# Altium PCB PCB2.PcbDoc (continued)
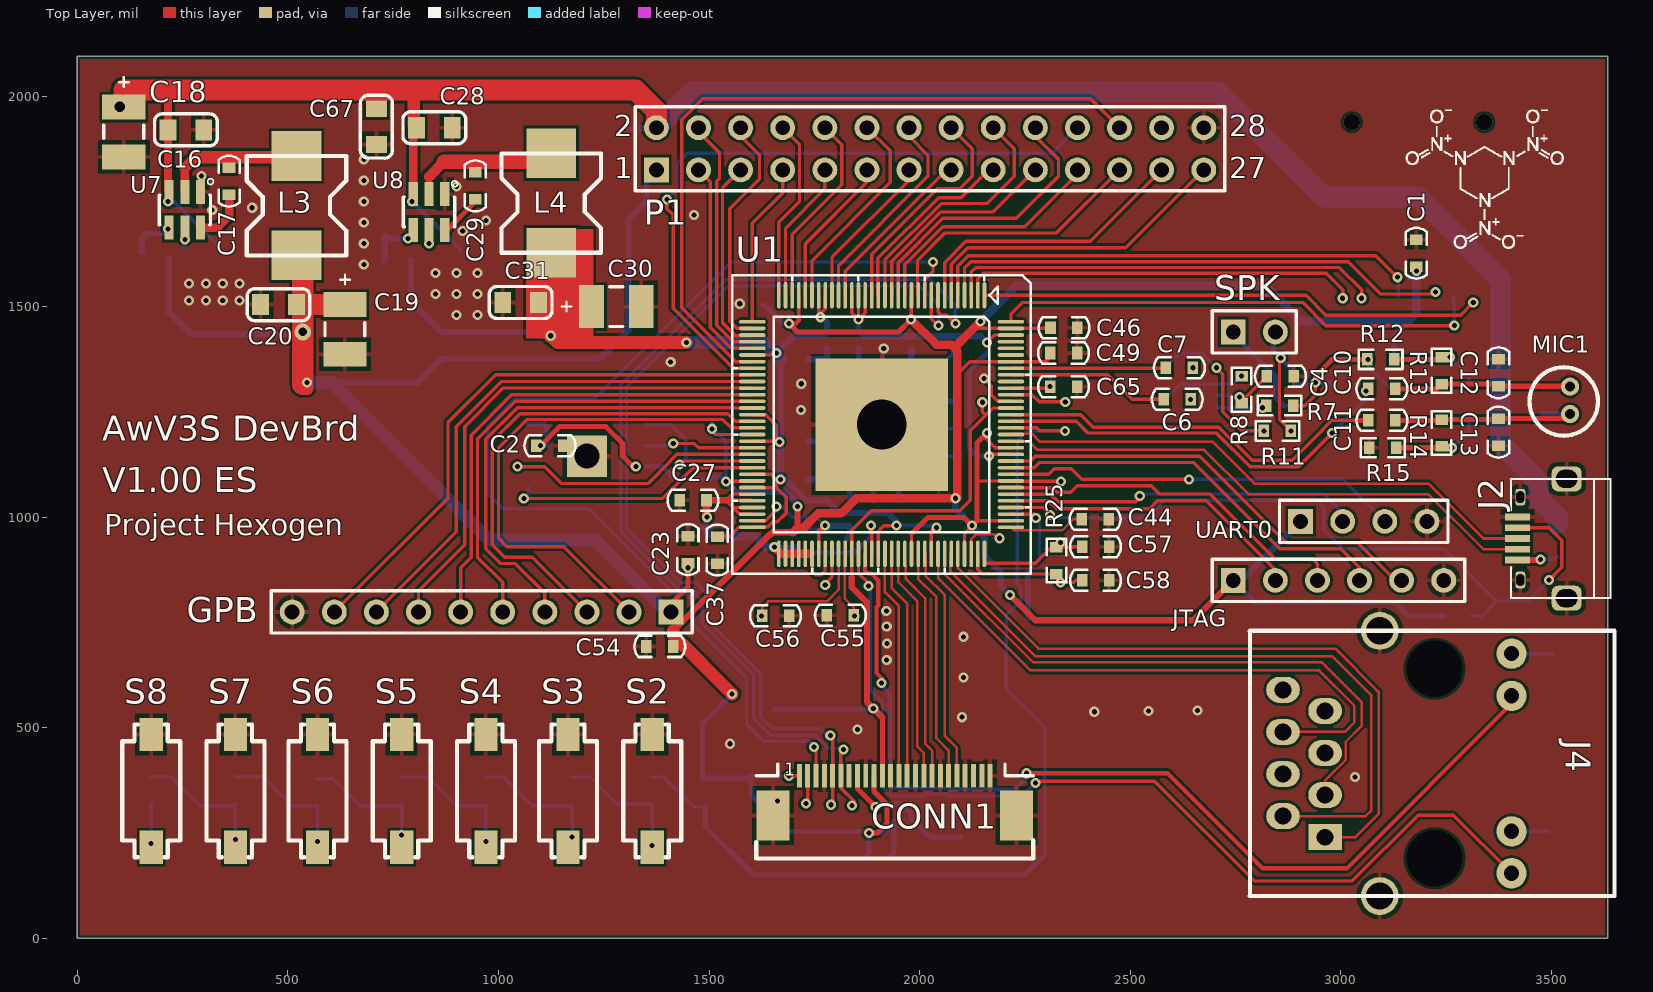
[diagram p0: Top Layer view]
## Part data
C1 C4 C5 C6 C7 C8 C9 C10 C11 C12 C13 C14 C15 C25 C26 C32 C33 C34 C35 C36 C37 C38 C39 C40 C41 C42 C43 C44 C45 C46 C47 C48 C49 C50 C51 C52 C53 C54 C55 C56 C57 C58 C60 C62 C64: "Capacitor", LatestRevisionDate=17-Jul-2002, LatestRevisionNote="Re-released for DXP Platform.", PackageDescription="Radial Cap, Thru-Hole; 2 Leads; 0.3 in Pin Spacing", PackageReference=RAD-0.3, Published=8-Jun-2000, Publisher="Altium Limited"
C2 C3 C61 C63 C65 C66: library part Cap, "0603 Ceramic Capacitor", LatestRevisionDate=17-Jul-2002, LatestRevisionNote="Re-released for DXP Platform.", PackageDescription="Radial Cap, Thru-Hole; 2 Leads; 0.3 in Pin Spacing", PackageReference=RAD-0.3, Published=8-Jun-2000, Publisher="Altium Limited"
C16 C17 C20 C28 C29 C31 C67: "Ceramic Capacitor 0603", LatestRevisionDate=17-Jul-2002, LatestRevisionNote="Re-released for DXP Platform.", PackageDescription="Radial Cap, Thru-Hole; 2 Leads; 0.3 in Pin Spacing", PackageReference=RAD-0.3, Published=8-Jun-2000, Publisher="Altium Limited"
C18 C19 C30: "Polarized Capacitor (Radial)", LatestRevisionDate=17-Jul-2002, LatestRevisionNote="Re-released for DXP Platform.", PackageDescription="Polarized Capacitor (Radial); 2 Leads", PackageReference=RB7.6-15, Published=8-Jun-2000, Publisher="Altium Limited"
C21 C22 C23 C24 C27 C59: "Ceramic 0603 Capacitor", LatestRevisionDate=17-Jul-2002, LatestRevisionNote="Re-released for DXP Platform.", PackageDescription="Radial Cap, Thru-Hole; 2 Leads; 0.3 in Pin Spacing", PackageReference=RAD-0.3, Published=8-Jun-2000, Publisher="Altium Limited"
CONN1: library part TD030673_2, "FPC Connector 0.4mm Pitch", Page=10
F1: library part "Fuse 1", "6V 1A PTC Fuse", LatestRevisionDate=17-Jul-2002, LatestRevisionNote="Re-released for DXP Platform.", PackageDescription="Thru-Hole; 2 Leads", PackageReference=PIN-W2/E2.8, Published=8-Jun-2000, Publisher="Altium Limited"
GPB: library part "Header 10", "Header, 10-Pin", LatestRevisionDate=17-Jul-2002, LatestRevisionNote="Re-released for DXP Platform.", Publisher="Altium Limited"
J2: "OTG USB By V3S"
J4: "HanRun 911105A  ETH Jack"
JTAG: library part "Header 6", "Header, 6-Pin", LatestRevisionDate=17-Jul-2002, LatestRevisionNote="Re-released for DXP Platform.", Publisher="Altium Limited"
L1: library part INDUCTOR_0_Dup1, "RoHS BEAD/600ohm 100Mhz Z=600Ω DCR<0.2Ω 800mA SMT L0603", Package=SMT, OriginalSymbolOrigin=(10,0), Pin Names Rotate=TRUE, Pin Names Visible=FALSE, Pin Numbers Visible=TRUE
L3 L4: "Inductor 0606", Code_IEC=1005, Code_JEITA=0402, LatestRevisionDate=29-May-2009, LatestRevisionNote="IPC-7351 Footprint Added.", PackageDescription="Chip Inductor", PackageReference=0402-A, Published=8-Jun-2000, Publisher="Altium Limited"
MIC1: library part Micphone_0, mypage=13
P1: "Header, 14-Pin, Dual row", LatestRevisionDate=17-Jul-2002, LatestRevisionNote="Re-released for DXP Platform.", Publisher="Altium Limited"
R1 R5 R6 R16 R17 R18 R21 R22 R23 R24 R25 R26 R27 R28 R29 R30 R31 R40: "Resistor", LatestRevisionDate=29-May-2009, LatestRevisionNote="IPC-7351 Footprint Added.", PackageDescription="Chip Resistor", PackageReference=J1-0603, Published=8-Jun-2000, Publisher="Altium Limited"
R7 R8 R9 R10 R11: library part ?_0, Vendor=R0402, 备注=Y
R12 R13 R14 R15: library part R_Dup4, mypage=13
R19 R20: "0603 Resistor", LatestRevisionDate=29-May-2009, LatestRevisionNote="IPC-7351 Footprint Added.", PackageDescription="Chip Resistor", PackageReference=J1-0603, Published=8-Jun-2000, Publisher="Altium Limited"
R32 R33 R34 R35 R36: library part "R1 0805_Dup2", Page=11
R37 R38 R39: library part "R1 0805"
S2 S3 S4 S5 S6 S7 S8: "Switch", LatestRevisionDate=17-Jul-2002, LatestRevisionNote="Re-released for DXP Platform.", PackageDescription="Switch; 2 Leads", PackageReference=SPST-2, Published=24-Mar-1999, Publisher="Altium Limited"
SPK: library part SPEAKER
U1: library part Aw_V3S
U2: library part W25Qxx, "128MB NAND Flash WSON8"
U6: library part LY8006_0, Vendor=MSOP8, 备注=Y
U9 U10 U11: library part PT5110
UART0: "Header, 4-Pin", LatestRevisionDate=17-Jul-2002, LatestRevisionNote="Re-released for DXP Platform.", Publisher="Altium Limited"
Y1 Y2: library part XTAL, "Crystal Oscillator", LatestRevisionDate=17-Jul-2002, LatestRevisionNote="Re-released for DXP Platform.", PackageDescription="Crystal, Thru-Hole; 2 Leads; Body 3.1 x 8.2 mm (Dia.xH)", PackageReference=R38, Published=8-Jun-2000, Publisher="Altium Limited"

## Via types
v1: diameter 24, hole 12, Top Layer to Bottom Layer, 154 vias
v2: diameter 39.37, hole 39.37, Top Layer to Bottom Layer, 2 vias
v3: diameter 40, hole 20, Top Layer to Bottom Layer, 1 vias
v4: diameter 50, hole 25, Top Layer to Bottom Layer, 1 vias

## Nets (pads, with @x,y where several pads share a name; then routed paths per layer and width w, separated by ;. In a path a pad name is that pad's centre, name@x,y a point inside that pad or via, vN(x,y) a via of type N, cw(c..) or ccw(c..) an arc to the next point about the centre after c; other vN are vias at no path point)
1V8: C24.2 C27.2 C59.2 R20.1 U1.59 U1.60 U1.61 U1.62 U1.65 U1.66 U1.67 U1.68 U1.69 U1.70 U1.72 U1.79 U9.2 | length 1125.5
  Top Layer w8: v1@1494,1001 v1(1495,1000) ; U1.62 1572.6,1007.4 1556.85,1023.15 ; U1.61 1556.85,1023.15 ; U1.60 1601.81,1040 1540,1040 ; U1.59 1602.56,1055 1555,1055 1540,1040 ; U1.70 1745.52,912.04 1745.52,869.48 1752,863 1765.89,863 1770.89,868 1773,868 1775.27,870.27 1775.27,912.04 U1.72 ; v1(1885,980) 1885,982.24 1886.38,983.62 1886.38,965 U1.79 ; 1540,1040 1556.85,1023.15
  Top Layer w15: C27.2 1540,1040
  Top Layer w20: v1@1494,1001 C27.2 ; v1(1655,929) 1671.09,912.91 U1.66 U1.67 U1.68 U1.69 1740.06,912.91
  Bottom Layer w8: U9.2 1490,995 v1(1495,1000)
  Bottom Layer w12: v1(1655,929) 1702,929 1703,930 R20.1 1732,915 1845,915 1885,955 v1(1885,980)
  Bottom Layer w20: U9.2 1510,955 1610,955 1636,929 v1(1655,929)
1V25: C30.1 C31.2 C34.2 C35.2 C36.2 C37.2 C38.2 C39.2 C40.2 C41.2 C42.2 C43.2 L4.2 R22.2 U1.19 U1.20 U1.21 U1.25 U1.26 U1.38 U1.47 U1.51 U1.56 U1.58 U1.64 U1.80 U1.88 U1.108 U1.126 | length 4103.5
  Top Layer w8: 1549,954 1570.91,975.91 U1.64 1604.33,977.32 1640.07,977.32 1651.74,989 1662,989 1683,1010 1683,1047 1659.61,1070.39 ; U1.58 1659.61,1070.39 ; U1.56 1648.11,1101.89 1659.61,1090.39 1659.61,1070.39 ; U1.51 1659.37,1180.63 1659.37,1218.85 1634.6,1243.62 U1.47 ; U1.38 1655.35,1385.35 v1(1660,1390) ; U1.26 1760.39,1479.61 1776.14,1495.35 U1.25 ; U1.21 1839.13,1485.87 v1@1854.88,1470.12 ; U1.20 v1@1854.88,1470.12 ; U1.19 1870.63,1485.87 v1@1854.88,1470.12 ; U1.80 1902.13,966.01 1907,970.89 1907,972 1915,980 v1(1945,980) ; U1.88 2028.11,966.89 2036.22,975 v1(2040,975) ; v1(2160,1415) 2177.6,1432.6 U1.126 ; v1(2165,1145) 2169.13,1149.13 U1.108
  Top Layer w10: C37.2 1549,954
  Top Layer w30: v1(1124,1431) 1140,1415 v1(1446,1415)
  Top Layer w35: v1(1124,1431) 1124,1516 1120,1520 1125,1525 ; L4.2 1125,1525 ; C30.1@1221.89,1500 1196.89,1525 1125,1525
  Bottom Layer w8: v1(1667,1179) 1670,1176 C35.2@1670,1170 ; C40.2@2035,980 v1(2040,975)
  Bottom Layer w10: v1(1945,980) C40.2@2035,980
  Bottom Layer w12: C39.2 2137,1145 2119,1163 2119,1349 C41.2 ; v1@2165,1135 v1(2165,1145)
  Bottom Layer w15: R22.2 792,1513 865,1440 1115,1440 v1(1124,1431) ; v1(1660,1390) 1705,1435 1775,1435 1780,1440 ; v1(1667,1179) 1667,1187 1671,1191 C34.2 ; C35.2@1670,1170 v1(1670,1090) 1681.06,1090 1731.06,1040 1780,1040 1810,1010 1925,1010 1945,990 v1(1945,980) ; C43.2 1780,1440 ; 1855,1450 1855,1445 ; v1(2160,1415) 2145,1430 2056.06,1430 2055.56,1429.5 1870.5,1429.5 1855,1445 ; 1780,1440 1855,1440 1855,1445
  Bottom Layer w30: v1(1446,1415) 1631,1415 C34.2
  other v1: 1855,1470 1765,1475
3V0: C22.2 C66.1 CONN1.11 U1.76 U1.115 U10.2 | length 1484.5
  Top Layer w8: 1839.13,855.87 U1.76 1839.13,969.13 1885,1015 2095,1015 2120,1040 2120,1205 2157.5,1242.5 ; v1(2149,1273) 2149,1251 2157.5,1242.5 ; 2172,1257 2157.5,1242.5 ; 2174.37,1259.37 U1.115
  Top Layer w12: CONN1.11 1911.85,386.36 1911.85,524.15
  Top Layer w15: 1839.13,855.87 1839.13,833.87 1875,798 1875,561 v1(1890,546) 1911.85,524.15
  Bottom Layer w8: v1@1879,545 v1@1885,551 ; v1(2149,1273) 2152,1273 C66.1
  Bottom Layer w12: U10.2 1657.72,545 v1@1879,545
  Bottom Layer w15: v1@1885,551 v1(1890,546)
3V3_A: C9.2 C15.2 L1.1 R7.2 R12.1 U6.6 | length 436.5
  Top Layer w8: R7.2 2915,1265 2940,1290 v1(2940,1320) ; R12.1 v1(3065,1375)
  Top Layer w12: v1(2940,1320) 2940,1335 2980,1375 R12.1
  Bottom Layer w8: U6.6 v1@2935.67,1315.67 ; L1.1@3070,1380 v1(3065,1375) 3065,1359 C15.2
  Bottom Layer w12: v1(2940,1320) C9.2
5V: C16.2 C18.1 C28.2 C62.1 C67.2 F1.1 P1.2 R18.2 R21.2 U7.3 U8.3 | length 5176
  Top Layer w15: C18.1@100,1974.06 v4(100,1975) ; 705,2015 710,2010 C67.2
  Top Layer w20: 216,2015 215,2014 C16.2 215,1774.92 U7.3 ; U8.3 797.6,1917.6 C28.2
  Top Layer w30: 799.06,2015 799.06,1974.06 799.06,1930.94 C28.2
  Top Layer w50: C18.1@100,1974.06 C18.1 110,2015 216,2015 705,2015 799.06,2015 ; 805,2015 1325,2015 1375,1965 P1.2
  Bottom Layer w10: v1(215,1750) 229,1750 R18.2 ; v1(795,1750) 909,1636 R21.2
  Bottom Layer w15: C62.1 1373,1923 P1.2
  Bottom Layer w50: P1.2 1460,2010 2710,2010 2960,1760 3185,1760 3380,1565 3380,1175 3470.46,1084.54 3470.46,1044.54 3515,1000 F1.1
CSI-AVDD: C1.1 C2.1 C19.1 C20.2 C21.2 C23.2 C32.2 C33.2 C45.2 C46.2 C47.2 C48.2 C49.2 C50.2 C51.2 C52.2 C53.2 C54.2 C64.2 CONN1.10 GPB.1 JTAG.1 L1.2 L3.2 P1.1 R16.2 R26.2 R27.2 R28.2 R29.2 R30.2 R32.1 R40.1 U1.12 U1.29 U1.50 U1.57 U1.85 U1.93 U1.98 U1.104 U1.109 U1.122 U1.127 U2.3 U2.7 U2.8 U3.4 U9.3 U10.3 U11.3 UART0.1 | length 11957.2
  Top Layer w8: v1@1325,1125 1326,1124 v1(1326,1120) ; v1(1507.24,1210) 1505,1207.76 1516.38,1196.38 U1.50 ; v1(1540,1085) 1601.77,1085 U1.57 ; 1713.15,1473.15 U1.29 ; v1(1980,1470) 1980,1526.22 U1.12 ; U1.85 1980.87,960.87 ; 2090,1340 2119.61,1369.61 U1.122 2299.61,1369.61 C49.2@2310,1380 ; U1.93 2106.85,961.85 v1(2125,980) ; 2128.35,1448.35 U1.127 2309.35,1448.35 C46.2 ; 2136,991.65 U1.98 ; 2136,1086.14 U1.104 2218.23,1085 v1(2336,1085) ; v1(2160,1200) 2160,1195 2155,1190 2180.12,1164.88 U1.109
  Top Layer w10: v1(1690,1460) 1706.3,1460 1713.15,1466.85 1713.15,1473.15
  Top Layer w12: v1(1100,1170) 1145,1215 1255,1215 1295,1175 1295,1145 1320,1120 v1(1326,1120) ; GPB.1 1400,785 1450,835 v1(1450,880) ; v1(1690,1460) 1710,1440 1950,1440 v1(1980,1470) ; v1(1880,250) 1900,250 1922.76,272.76 1922.76,317.6 1891.89,348.48 CONN1.10 ; 1980.87,960.87 2019,999 2106,999 v1(2125,980) 2136,991 2136,991.65 2136,1086.14 2136,1176 v1(2160,1200)
  Top Layer w15: 1415,730 1644.82,959.82 1647.31,959.82 1651.49,964 1699,964 ; 1710,975 v1(1710,1025) ; v1(2215,815) 2275,755 2650,755 JTAG.1
  Top Layer w20: 1699,964 1710,975 1725,975 1759,1009 1814,1009 1850,1045 v1(2085,1045) 2090,1045 2090,1340 2090,1395 2082.5,1402.5 2128.35,1448.35 v1(2145,1465) ; v1(1980,1470) 2040,1410 2075,1410
  Top Layer w30: v1@535,1315 545,1305 v1(545,1320) ; 1415,730 1415,720 v1(1555,580)
  Top Layer w50: v1@535,1315 v3(535,1440) C20.2@535,1505 ; L3.2@535,1618.78 C20.2@535,1505 ; C19.1 C20.2@535,1505
  Bottom Layer w8: v1(1100,1170) 1115,1170 ; C53.2 1515,1215 v1@1510,1210 ; v1(1507.24,1210) v1@1510,1210 ; v1(1540,1085) 1540,1180 v1@1510,1210
  Bottom Layer w10: C45.2 C45.2@1630,1505 ; 1675,1460 v1(1690,1460)
  Bottom Layer w12: U2.8 1110,1220 1115,1215 1115,1170 ; C64.2 1352,1751 1352,1802 P1.1 ; U2.3 1390,1120 1419,1091 C52.2 ; C52.2@1505,1095 1530,1095 v1(1540,1085) ; v1(1555,580) 1485,510 1485,380 1596,380 R27.2 1601,339 1687,253 R28.2 R29.2 R30.2 v1@1870,253 ; C45.2@1630,1505 1675,1460 ; C33.2 1880,201 v1(1880,250) 1912.28,250 U11.3 1939.41,203.41 C32.2@1931,195 ; JTAG.1 2797,798 3128,798 3160,766 R40.1 ; L1.2 3127,1432 3160,1465
  Bottom Layer w15: R16.2@217,1615 217,1488 270,1435 530,1435 v3(535,1440) ; 603,1320 809,1320 866,1377 1241,1377 1308,1444 1308,1707 C64.2 ; v1(1540,1085) 1565,1060 1681.36,1060 1710,1031.36 v1(1710,1025) ; v1(2085,1045) 2085,1020 v1(2125,980) 2155,950 2155,908 R26.2 2193,837 v1(2215,815) ; JTAG.1 2765,850 UART0.1
  Bottom Layer w20: v1(2145,1465) 2230,1550 2821.25,1550 2906.25,1465 3160,1465 3180,1485 U3.4 v1(3180,1585)
  Bottom Layer w30: v1(545,1320) 603,1320 977,946 1229,946 1400,775 GPB.1
CSI-DVDD: C60.2 CONN1.8 U11.2 | length 337.8
  Top Layer w12: CONN1.8 1852.52,355.33 1895,312.85 v1(1895,311.42)
  Bottom Layer w12: v1(1895,311.42) 1903.58,320 1955,320 1980,295 1980,285 2025,240 U11.2 C60.2
CSI_CK_N: CONN1.20 U1.87 | length 557.5
  Top Layer w6: U1.87@2014.61,912.91 2014.61,860.84 2058,817.46 2058,817 2060,815 2060,480.46 2088.74,451.72 CONN1.20
CSI_CK_P: CONN1.19 U1.86 | length 556.8
  Top Layer w6: U1.86 1996.61,878.39 1996.78,878.22 1996.78,853.22 2040,810 2040,475 2069.05,445.95 CONN1.19
CSI_CLK: CONN1.3 U1.10 | length 2660
  Top Layer w8: v1(1749,454) 1754.09,448.91 CONN1.3 ; U1.10 2012.36,1564.36 2032,1584 v1(2032,1606)
  Bottom Layer w8: v1(1749,454) 1749,458 1739,468 1630,468 1589,509 1589,619 1464,744 1464,800 1447,817 1418,817 1215,1020 1010,1020 974,1056 974,1215 1039,1280 1226,1280 1552,1606 v1(2032,1606)
CSI_D0_N: CONN1.14 U1.82 | length 542.2
  Top Layer w6: U1.82 1933.62,831.83 1970.63,794.83 CONN1.14
CSI_D0_P: CONN1.13 U1.81 | length 540.5
  Top Layer w6: U1.81 1917.87,822.13 1950.94,789.05 CONN1.13
CSI_D1_N: CONN1.17 U1.84 | length 524.7
  Top Layer w6: U1.84@1967.54,885 1967.54,852.92 2013,807.46 2013,462.46 2029.68,445.77 CONN1.17
CSI_D1_P: CONN1.16 U1.83 | length 524
  Top Layer w6: U1.83@1949.54,885 1949.54,845.46 1995,800 1995,455 2010,440 CONN1.16
CSI_SCK: CONN1.5 R29.1 U1.9 | length 2275.7
  Top Layer w8: v1(1788,482) 1793.46,476.53 CONN1.5 1793.46,320.47 v1(1790,317) ; U1.9 2028.11,1471.89 v1(2045,1455)
  Bottom Layer w8: v1(1788,482) 1781,482 1765,498 1649.91,498 1623,524.91 1623,628.13 1498,753.13 1498,814 1467,845 1431.72,845 1304,972.72 1304,1308.36 1544.64,1549 2001,1549 2045,1505 v1(2045,1455)
CSI_SDA: CONN1.6 R30.1 U1.8 | length 2393.3
  Top Layer w8: v1(1819,448) 1813.15,442.15 CONN1.6 1813.15,356.85 1845,325 1840,320 v1(1840,315) ; U1.8 2043.86,1488.14 2052,1480 2065,1480 v1(2085,1460)
  Bottom Layer w8: v1(1819,448) 1815,452 1782.11,452 1752.11,482 1646.11,482 1606,522.11 1606,625.33 1484,747.33 1484,801.8 1454.8,831 1425.92,831 1290,966.92 1290,1314.15 1539.85,1564 2024.89,1564 2085,1503.89 v1(2085,1460)
ETH_LED_LNK: J4.9 U1.77 | length 2339.3
  Top Layer w8: U1.77 1854.88,867.09 1879,842.97 v1(1879,837) ; v1(2275,369) 2279,373 2558,373 2795,136 3028,136 3184.47,292.47 3268,292.47 J4.9
  Bottom Layer w8: v1(1879,837) 1879,841 1878,842 1883,847 1883,589 1912,560 1912,359.79 1933.79,338 2012.44,338 2017.16,342.72 2062.84,342.72 2067.56,338 2244,338 v1(2275,369)
ETH_LED_SPD: J4.11 U1.78 | length 2348.3
  Top Layer w10: U1.78 1870.63,872.55 1877.15,866.03 1885.97,866.03 1902,850 1902,790.53 1898,786.53 1898,630 1910,618 v1(1910,606) ; v1(2254,392) 2589,392 2815,166 3015,166 3406.1,557.1 J4.11
  Bottom Layer w10: v1@1914.5,596.5 1929,582 1929,364 1935.28,357.72 2069.06,357.72 2073.77,353 2225,353 2254,382 v1(2254,392)
ETH_RX_N: J4.6 U1.89 | length 1390.1
  Top Layer w6: U1.89 2043.86,855.69 2263.54,636 2949,636 3032.5,552.5 3032.5,512.5 3010,490 J4.6
ETH_RX_P: J4.3 U1.90 | length 1421.1
  Top Layer w6: U1.90 2059.61,865.39 2270,655 2955.46,655 3050.5,559.96 3050.5,505.04 3012.19,466.73 3012.19,423.43 2963.19,374.43 J4.3
ETH_TX_N: J4.2 U1.91 | length 1651.7
  Top Layer w6: U1.91@2073.1,912.91 2073.1,871.44 2274.54,670 2980,670 3072.27,577.73 3072.27,302.73 3059.54,290 J4.2
ETH_TX_P: J4.1 U1.92 | length 1594.7
  Top Layer w6: U1.92 2091.1,878.9 2282,688 2987.46,688 3090.27,585.18 3090.27,295.27 3035,240 J4.1
GND: C1.2 C2.2 C3.2 C4.2 C9.1 C12.1 C13.1 C15.1 C16.1 C18.2 C19.2 C20.1 C21.1 C22.1 C23.1 C24.1 C25.2 C26.2 C27.1 C28.1 C30.2 C31.1 C32.1 C33.1 C34.1 C35.1 C36.1 C37.1 C38.1 C39.1 C40.1 C41.1 C42.1 C43.1 C44.1 C45.1 C46.1 C47.1 C48.1 C49.1 C50.1 C51.1 C52.1 C53.1 C54.1 C55.2 C56.2 C57.2 C58.2 C59.1 C60.1 C61.2 C62.2 C63.2 C64.1 C65.2 C66.2 C67.1 CONN1.4 CONN1.9 CONN1.12 CONN1.15 CONN1.18 CONN1.21 CONN1.24 CONN1.25 CONN1.26 GPB.10 J2.5 J4.S JTAG.6 P1.28 R1.1 R5.2 R6.1 R15.1 R17.1 R19.2 R23.1 R24.1 R31.1 S2.1 S3.1 S4.1 S5.1 S6.1 S7.1 S8.1 U1.116 U1.TPAD U2.4 U3.6 U3.10 U3.11 U3.12 U3.13 U6.7 U7.1 U8.1 U9.1 U10.1 U11.1 UART0.4 | length 2454.4
  Top Layer w8: v1@2149,1326 2156,1326 2171,1311 2171,1289.52 2185.4,1275.12 U1.116
  Bottom Layer w8: v1(1915,1401) U1.TPAD@1915,1225 ; C40.1 2045,1085 U1.TPAD@1985,1145 ; C39.1 U1.TPAD@1985,1145 ; C48.1 U1.TPAD@1920,1210 ; C41.1 2080,1390 1980,1290 1965,1275 U1.TPAD@1915,1225 ; U1.TPAD@1915,1225 U1.TPAD U1.TPAD@1920,1210 ; U1.TPAD@1920,1210 1950,1180 U1.TPAD@1985,1145
  Bottom Layer w15: C36.1 1780,1090 U1.TPAD@1835,1145 ; C35.1 U1.TPAD@1870,1180 ; C34.1 1776,1375 1780,1379 ; C43.1 1780,1379 ; R19.2 U1.TPAD@1835,1145 ; C42.1 U1.TPAD@1855,1275 ; C59.1 U1.TPAD@1890,1200 ; C38.1 U1.TPAD@1950,1180 ; U1.TPAD@1965,1275 C66.2 ; U1.TPAD@1980,1290 C47.1 ; 1780,1379 1780,1350 U1.TPAD@1855,1275 ; U1.TPAD@1835,1145 U1.TPAD@1870,1180 ; U1.TPAD@1855,1275 U1.TPAD U1.TPAD@1890,1200 ; U1.TPAD@1870,1180 U1.TPAD@1890,1200
  other v1: 1663,326 3034,383 1550,462 1853,496 2101,525 2415,538 2544,540 2660,541 2104,619 1922,661 1923,700 2104,716 1922,740 1921,777 1718,1255 1719,1317 2153,1329 1409,1369 900,1480 950,1480 1573,1507 265,1515 305,1515 345,1515 385,1515 850,1530 900,1530 950,1530 265,1555 305,1555 345,1555 385,1555 850,1580 900,1580 950,1580 680,1600 680,1650 915,1680 680,1700 970,1705 1464,1718 320,1730 415,1735 680,1750 900,1785 680,1800 295,1810 680,1850
HPL: C7.2 U1.121 | length 368.4
  Top Layer w8: U1.121 2583.86,1353.86 C7.2
HPR: C6.2 U1.120 | length 387
  Top Layer w8: U1.120 2446.89,1338.11 2505,1280 C6.2
JTAG_TCK: JTAG.2 U1.101 | length 736.5
  Top Layer w8: U1.101 2306.5,1038.9 2314.4,1031 2315.11,1031 2326.11,1020 2546.2,1020 2565.1,1038.9 2681.1,1038.9 2845,875 JTAG.2
JTAG_TDI: JTAG.4 U1.106 | length 966.6
  Top Layer w8: U1.106 2272.64,1117.64 2285,1130 2650,1130 2855,925 3000,925 3045,880 JTAG.4
JTAG_TDO: JTAG.3 U1.103 | length 855.9
  Top Layer w8: U1.103 2314.61,1070.39 2326,1059 2359,1059 2375,1075 2550,1075 2570,1055 2690,1055 2844,901 2934,901 2945,890 JTAG.3
JTAG_TMS: JTAG.5 U1.107 | length 1054.9
  Top Layer w8: U1.107 2263.39,1133.39 2275,1145 2665,1145 2871,939 3041,939 3130,850 JTAG.5
KEYADC: C63.1 R32.2 R33.1 U1.112 | length 2367.4
  Top Layer w8: U1.112 2277.87,1212.13 2285,1205 v1(2345,1205)
  Bottom Layer w8: R33.1 1393,382 1462,313 R32.2 ; 2294,194 2297,197 2297,501 2206,592 2206,768 2240,802 2240,834 2232.06,841.94 2232.06,1181.06 2256,1205 v1(2345,1205)
  Bottom Layer w12: R32.2 1490,267 1607,150 2250,150 2294,194
LCD_CLK: P1.3 U1.37 | length 505.9
  Top Layer w8: P1.3 1503,1797 1503,1451.4 1553.3,1401.1 U1.37
LCD_D2: P1.7 U1.33 | length 390.8
  Top Layer w8: U1.33 1602.91,1697.91 1675,1770 P1.7
LCD_D3: P1.8 U1.32 | length 434.8
  Top Layer w8: U1.32 1665.91,1700.91 1715,1750 1715,1885 P1.8
LCD_D4: P1.9 U1.31 | length 336.6
  Top Layer w8: U1.31 1681.65,1686.65 1775,1780 P1.9
LCD_D5: P1.10 U1.30 | length 463.2
  Top Layer w8: U1.30 1697.4,1672.4 1815,1790 1815,1885 P1.10
LCD_D6: P1.11 U1.28 | length 358.4
  Top Layer w8: U1.28 1728.9,1648.9 1875,1795 P1.11
LCD_D7: P1.12 U1.27 | length 497.5
  Top Layer w8: U1.27 1744.65,1609.65 1930,1795 1930,1870 P1.12
LCD_D10: P1.13 U1.24 | length 373.8
  Top Layer w8: U1.24 1791.89,1616.89 1975,1800 P1.13
LCD_D11: P1.14 U1.23 | length 504.5
  Top Layer w8: U1.23 1807.64,1597.64 2020,1810 2020,1860 1975,1905 P1.14
LCD_D12: P1.15 U1.22 | length 417.4
  Top Layer w8: U1.22 1823.39,1584.39 2049,1810 2075,1810 P1.15
LCD_D13: P1.16 U1.18 | length 548.5
  Top Layer w8: U1.18 1886.38,1624.38 2042,1780 2095,1780 2125,1810 2125,1875 P1.16
LCD_D14: P1.17 U1.17 | length 449.6
  Top Layer w8: U1.17 1900.71,1528.5 1900.71,1614.71 2045.1,1759.1 2098.41,1759.1 2164.3,1825 P1.17
LCD_D15: P1.18 U1.16 | length 609.7
  Top Layer w8: U1.16 1917.87,1611.87 2051,1745 2160,1745 2225,1810 2225,1875 P1.18
LCD_D18: P1.19 U1.15 | length 512.1
  Top Layer w8: U1.15 1933.62,1607.82 2050.8,1725 2175,1725 P1.19
LCD_D19: P1.20 U1.14 | length 680.5
  Top Layer w8: U1.14 1949.37,1603.77 2055.6,1710 2230,1710 2330,1810 2330,1850 2275,1905 P1.20
LCD_D20: P1.21 U1.13 | length 585.8
  Top Layer w8: U1.13 1965.12,1599.72 2055.4,1690 2250,1690 2380,1820 P1.21
LCD_D21: P1.23 U1.11 | length 652.4
  Top Layer w8: U1.11 1995.2,1528.5 1995.2,1610 2060.2,1675 2325,1675 P1.23
LCD_D22: P1.25 U1.7 | length 684.1
  Top Layer w8: U1.7 2059.61,1604.41 2110.2,1655 2405,1655 P1.25
LCD_D23: P1.27 U1.6 | length 766
  Top Layer w8: U1.6 2075.35,1600.35 2115,1640 2490,1640 P1.27
LCD_DE: P1.4 U1.36 | length 593.6
  Top Layer w8: P1.4 1475,1915 1525,1865 1525,1805 1518,1798 1518,1456.2 1557.35,1416.85 U1.36
LCD_HSYNC: P1.5 U1.35 | length 465.1
  Top Layer w8: P1.5 1532,1782 1532,1462 1562.82,1431.18 1601.5,1431.18 U1.35
LCD_VSYNC: P1.6 U1.34 | length 568.9
  Top Layer w8: P1.6 1575,1905 1620,1860 1620,1804 1549,1733 1549,1465 1565.65,1448.35 U1.34
MAS_RST: C3.1 R26.1 U1.99 | length 321.3
  Top Layer w8: U1.99 2272.6,1007.4 2276,1004 v1(2276,998)
  Bottom Layer w8: R26.1 2285,898 2285,989 v1(2276,998)
  Bottom Layer w12: R26.1 2257,764 C3.1
MIC1N: C11.1 U1.114 | length 933.9
  Top Layer w8: U1.114 2382.38,1243.62 2412,1214 2711,1214 2790,1135 2885,1135 2958,1208 2958,1209.11 2978.89,1230 3035,1230
  Top Layer w12: 3035,1230 C11.1
MIC1P: C10.1 U1.113 | length 973.9
  Top Layer w8: U1.113 2372.13,1227.87 2400,1200 2705,1200 2785,1120 2900,1120 v1(2980,1200)
  Bottom Layer w8: v1(2980,1200) 3060,1280 v1(3060,1300)
NetC4_1: C4.1 R8.1 U6.2 | length 145.9
  Top Layer w8: R8.1 2765,1275 C4.1
  Bottom Layer w8: U6.2 2755,1290 v1(2760,1285)
NetC5_2: C5.2 R10.2 R11.1 U6.4 | length 378.8
  Top Layer w8: v1(2705,1355) 2720,1340 2720,1250 2765,1205 v1(2818,1205)
  Bottom Layer w8: R10.2 2618,1390 2670,1390 v1(2705,1355)
NetC6_1: C6.1 R9.1
  other v1: 2644,1280
NetC7_1: C7.1 R10.1
  other v1: 2649,1355
NetC8_1: C8.1 R14.1 R15.2 | length 229.1
  Top Layer w8: R14.1 3268,1168 v1(3265,1165)
  Top Layer w12: R15.2 3237,1165 R14.1
  Bottom Layer w8: v1(3265,1165) 3305,1205 C8.1
NetC8_2: C8.2 R12.2 R13.2 | length 233.7
  Top Layer w8: R13.2 v1(3260,1380)
  Top Layer w12: R12.2 3235,1375 R13.2
  Bottom Layer w8: v1(3260,1380) 3305,1335 C8.2
NetC10_2: C10.2 C12.2 C14.2 MIC1.1 R13.1 | length 487.5
  Top Layer w12: C10.2 3229,1305 R13.1 3370,1316 C12.2 3544,1311 MIC1.1
  Bottom Layer w12: C14.2 3544,1309 MIC1.1
NetC11_2: C11.2 C13.2 C14.1 MIC1.2 R14.2 | length 486.2
  Top Layer w12: C11.2 3238,1230 R14.2 3373,1232 C13.2 3534,1234 MIC1.2
  Bottom Layer w12: C14.1 MIC1.2
NetC17_1: C17.1 L3.1 U7.2 | length 352.2
  Top Layer w20: U7.2 255,1830
  Top Layer w25: 255,1830 280,1855
  Top Layer w30: 280,1855 525,1855 L3.1@535,1845
NetC17_2: C17.2 U7.6 | length 128.9
  Top Layer w20: U7.6 332.68,1687.68 360,1715 C17.2@360,1765
NetC29_1: C29.1 L4.1 U8.2 | length 354.5
  Top Layer w15: U8.2 835,1809
  Top Layer w25: 835,1809 870,1844
  Top Layer w35: 870,1844 1104.89,1844 L4.1
NetC29_2: C29.2 U8.6 | length 106.1
  Top Layer w12: U8.6 878.68,1682.68 945,1749 C29.2
NetC44_2: C44.2 U1.97 | length 181.5
  Top Layer w6: U1.97 2223.99,969 2339,969 2365,995 C44.2
NetC61_1: C61.1 U1.117 | length 135.9
  Top Layer w8: U1.117 2267,1290.87 2283.87,1274 v1(2346,1274)
NetC65_1: C65.1 R31.2 U1.118 | length 118.7
  Top Layer w8: U1.118 2306.61,1306.61 v1(2310,1310)
  Bottom Layer w8: R31.2 2310,1333 v1(2310,1310)
NetCONN1_1: CONN1.1 R27.1 | length 50.2
  Top Layer w8: v1(1690,385) 1691.08,386.08 CONN1.1
  Bottom Layer w8: R27.1 v1(1690,385)
NetCONN1_2: CONN1.2 R28.1 | length 67.9
  Top Layer w8: v1(1730,320) 1734.41,324.41 CONN1.2
NetF1_2: F1.2 J2.1 | length 98.3
  Top Layer w15: J2.1 v1@3473.23,898.23
  Top Layer w20: v1@3473.23,898.23 v1(3475,900)
  Bottom Layer w8: v1(3475,900) 3508.74,900 F1.2
NetJ4_10: J4.10 R5.1 | length 88.9
  Bottom Layer w8: J4.10 R5.1
NetJ4_12: J4.12 R6.2 | length 100.6
  Bottom Layer w8: J4.12 3501,676 R6.2
NetR1_2: R1.2 U1.94 | length 129.6
  Top Layer w6: U1.94 2122.6,947.6 2135,960 2176.97,960 2190,946.97 v1(2190,950)
  Bottom Layer w6: 2176,950 v1(2190,950)
NetR7_1: R7.1 U6.1 | length 111.8
  Bottom Layer w8: U6.1 2709.33,1260 v1(2815,1260)
NetR8_2: R8.2 R9.2 U6.3 | length 204.8
  Bottom Layer w8: R9.2 2618.67,1315.67 U6.3 2745.67,1315.67 v1(2765,1335)
NetR16_1: R16.1 R17.2 U7.4 | length 102.9
  Bottom Layer w10: R17.2 203,1673 v1(215,1685)
  Bottom Layer w15: R16.1@153,1630 153,1661 R17.2
NetR18_1: R18.1 U7.5 | length 42.7
  Top Layer w15: v1(255,1660) U7.5
  Bottom Layer w15: R18.1@255,1645 v1(255,1660)
NetR21_1: R21.1 U8.5
  other v1: 835,1650
NetR22_1: R22.1 R23.2 U8.4 | length 116.3
  Bottom Layer w15: R22.1 730,1612 R23.2 736,1662 v1(785,1662)
NetR24_2: R24.2 U1.73 | length 90.9
  Top Layer w8: v1(1776,839) 1776,842 1791.89,857.89 U1.73
  Bottom Layer w8: v1(1776,839) 1776,848 R24.2
NetR33_2: R33.2 R34.1 S2.2 | length 314.5
  Bottom Layer w8: R34.1 1218,382 1282,318 R33.2 v1(1365,220)
NetR34_2: R34.2 R35.1 S3.2 | length 326.1
  Top Layer w8: S3.2@1165,230 v1(1175,240)
  Bottom Layer w8: R35.1 1013,382 1080,315 1172,315 R34.2 v1(1175,240)
NetR35_2: R35.2 R36.1 S4.2 | length 317
  Bottom Layer w8: R36.1 833,382 900,315 967,315 R35.2 v1(970,230)
NetR36_2: R36.2 R37.1 S5.2 | length 314.9
  Top Layer w8: v1(770,245) S5.2@780,235
  Bottom Layer w8: R37.1 606,379 670,315 767,315 R36.2 v1(770,245)
NetR37_2: R37.2 R38.1 S6.2 | length 308.6
  Bottom Layer w8: R38.1 441,384 510,315 R37.2 v1(570,230)
NetR38_2: R38.2 R39.1 S7.2 | length 315.7
  Bottom Layer w8: R39.1 221,384 290,315 370,315 R38.2 v1(375,235)
NetR39_2: R39.2 S8.2 | length 95
  Bottom Layer w8: v1(175,225) R39.2
SDC1_CLK: U1.5 U3.5 | length 1190.1
  Top Layer w8: U1.5 2091.1,1596.1 2116,1621 3084,1621 v1(3135,1570)
  Bottom Layer w8: v1(3135,1570) 3136.69,1568.31 U3.5
SDC1_CMD: U1.4 U3.3 | length 1223.3
  Top Layer w8: U1.4 2106.85,1592.05 2121.8,1607 3018,1607 3095,1530 3220,1530 v1(3225,1535)
SDC1_D0: U1.3 U3.7 | length 1029.2
  Top Layer w8: U1.3 2122.6,1582.6 2133,1593 2997,1593 3050,1540 v1(3050,1520)
SDC1_D1: U1.2 U3.8 | length 947.1
  Top Layer w8: U1.2 2138.35,1566.03 2151.31,1579 2966,1579 3005,1540 v1(3005,1520)
SDC1_D2: U1.1 U3.1 | length 1192.8
  Top Layer w8: U1.1 2917.91,1527.09 2965,1480 3285,1480 v1(3315,1510)
SDC1_D3: U1.128 U3.2 | length 1180.8
  Top Layer w8: U1.128 2217.09,1482.09 2245,1510 2910,1510 2965,1455 v1(3270,1455)
  Bottom Layer w8: U3.2 3270,1521.61 3265,1516.61 3270,1511.61 v1(3270,1455)
SPI_CLK: U1.53 U2.6 | length 629
  Top Layer w8: v1(1045,1120) 1110,1120 1150,1080 1355,1080 1408,1133 1408,1134.11 1423.02,1149.13 U1.53
  Bottom Layer w8: v1(1045,1120) U2.6
SPI_CS: U1.54 U2.1 | length 354.6
  Top Layer w8: v1(1430,1125) 1430,1123.39 1440,1133.39 U1.54
  Bottom Layer w8: U2.1 1410,1220 1445,1185 1445,1140 v1(1430,1125)
SPI_MISO: U1.52 U2.2 | length 259.4
  Top Layer w8: v1(1415,1175) 1465,1175 1475.12,1164.88 U1.52
  Bottom Layer w8: U2.2 1410,1170 v1(1415,1175)
SPI_MOSI: U1.55 U2.5 | length 602.9
  Top Layer w8: v1(1060,1044.53) 1389.53,1044.53 1462.64,1117.64 U1.55
  Bottom Layer w8: v1(1060,1044.53) 1070.24,1054.76 U2.5
SPK+: C5.1 R11.2 SPK.2 U6.5 | length 310.1
  Top Layer w8: v1(2857.83,1377.83) 2855,1375 2855,1232 v1(2882,1205)
  Bottom Layer w12: SPK.2@2840,1440 2840,1395.67 v1(2857.83,1377.83) 2895.67,1340 U6.5
SPK-: SPK.1 U6.8 | length 259.1
  Bottom Layer w8: 2865.67,1264.33 U6.8
  Bottom Layer w12: SPK.1@2740,1440 2845,1335 2845,1285 2865.67,1264.33
SVREF: C25.1 C26.1 R19.1 R20.2 U1.63 U1.71 | length 438.7
  Top Layer w8: U1.63 1634.6,991.65 1660,1017.06 v1(1660,1025) ; U1.71 1760.39,969.61 1760,970 1765,970 v1(1775,980)
  Bottom Layer w8: v1(1660,1025) 1674,1025 1699,1000 1755,1000 v1(1775,980) 1767,972 R20.2
  Bottom Layer w15: v1(1775,980) v1@1780,980 ; v1@1785,975 v1@1780,980 ; C26.1 1835,956 R19.1 1833,980 v1@1780,980
UART0_RX: U1.102 UART0.2 | length 843.7
  Top Layer w8: U1.102 2310.56,1054.65 2320.2,1045 2320.91,1045 2328.91,1037 2514,1037 2523,1046 v1(2523,1050)
  Bottom Layer w8: v1(2523,1050) 2528,1055 2960,1055 3005,1010 UART0.2
UART0_TX: U1.105 UART0.3 | length 945.1
  Top Layer w8: U1.105 2306.89,1101.89 2320,1115 2360,1115 2385,1090 v1(2640,1090)
  Bottom Layer w8: v1(2640,1090) 3005,1090 UART0.3
UART2_RX: P1.22 U1.40 | length 1593.2
  Top Layer w8: v1(1400,1755) 1400,1733 1415,1718 1415,1496 1557.14,1353.86 U1.40
  Bottom Layer w8: v1(1400,1755) 1425,1780 1425,1841 1448.53,1864.53 2314.53,1864.53 P1.22
UART2_TX: P1.24 U1.39 | length 1756.4
  Top Layer w8: U1.39 1563.39,1369.61 1435,1498 1435,1944 1485,1994 2406,1994 P1.24
USB_D_N: J2.2 U1.110 | length 1309.3
  Top Layer w6: U1.110 2259.37,1180.63 2280,1160 2676,1160 2781,1055 3207.97,1055 3339.15,923.82 J2.2
USB_D_P: J2.3 U1.111 | length 1306.1
  Top Layer w6: U1.111@2217.09,1198.63 2266.83,1198.63 2286.46,1179 2696.46,1179 2795.46,1080 3208.42,1080 3339.01,949.41 J2.3
USB_ID: J2.4 R40.2 U1.100 | length 1759.2
  Top Layer w8: U1.100 2293.56,1023.15 2311.71,1005 v1(2310,1005) ; J2.4 3495,975 3525,945 3525,880.75 v1(3495,850.75)
  Bottom Layer w8: v1(2310,1005) 2316,999 2540,999 2581,1040 2945,1040 2960,1025 2960,970 3005,925 3245,925 3370,800 ; R40.2 3336,766 3370,800 ; v1(3495,850.75) 3444.25,800 3370,800
V3S_PB2: GPB.9 U1.41 | length 1331.6
  Top Layer w8: GPB.9 880,1045 880,1225 993.11,1338.11 U1.41
V3S_PB3: GPB.8 U1.42 | length 1266.1
  Top Layer w8: GPB.8 900,965 900,1215 1007.36,1322.36 U1.42
V3S_PB4: GPB.7 U1.43 | length 1206.9
  Top Layer w8: GPB.7 810,825 920,935 920,1215.2 1011.8,1307 1602.53,1307 U1.43
V3S_PB5: GPB.6 U1.44 | length 1138
  Top Layer w8: GPB.6 910,880 935,905 935,1195 1030.87,1290.87 U1.44
V3S_PB6: GPB.5 U1.45 | length 1125.1
  Top Layer w8: GPB.5 1010,845 950,905 950,1185 1040.12,1275.12 U1.45
V3S_PB7: GPB.4 U1.46 | length 1152.7
  Top Layer w8: GPB.4 1110,820 1040,890 1005,890 970,925 970,1185 1044.37,1259.37 1044.57,1259.37 1045.2,1260 1549.8,1260 1550.43,1259.37 U1.46
V3S_PB8: GPB.3 U1.48 | length 1189
  Top Layer w8: GPB.3 1080,905 1015,905 985,935 985,1180 1051,1246 1544,1246 1562.13,1227.87 U1.48
V3S_PB9: GPB.2 U1.49 | length 1236.4
  Top Layer w8: GPB.2 1155,930 1020,930 1000,950 1000,1165 1067,1232 1533,1232 1552.87,1212.13 U1.49
X24I: C55.1 U1.75 Y1.2 | length 155.1
  Top Layer w6: U1.75 1822.63,912.16 1822.63,806.37 1844,785 C55.1
  other v1: 1845,765
X24O: C56.1 U1.74 Y1.1 | length 303.6
  Top Layer w6: C56.1 1626,785 1641,800 1780,800 1807.64,827.64 U1.74
  other v1: 1625,765
X32I: C57.1 R25.2 U1.96 Y2.2 | length 275.1
  Top Layer w8: U1.96 2154.09,890.91 2274.91,890.91 2319,935 R25.2 2364,929 2365,930 C57.1
  other v1: 2335,940
X32O: C58.1 R25.1 U1.95 Y2.1 | length 295
  Top Layer w8: U1.95 2138.35,876.65 2150,865 R25.1 ; R25.1@2325,855 v1(2335,845) 2366,845 2371,850 C58.1
pads on no net: CONN1.7 CONN1.22 CONN1.23 J2.0 J4.0 J4.4 J4.5 J4.7 J4.8 P1.26 U1.119 U1.123 U1.124 U1.125 U3.9
copper on no net:
  other v2: 3026.46,1938.39 3341.42,1938.39

## Polygon pours and split planes (outlines as drawn)
GND on Top Layer "GND_L01_P002" (solid, remove dead copper, pour order 2): 0,2095 0,0 10,0 3635,0 3635,2095 3628,2095
GND on Bottom Layer "GND_L02_P004" (solid, remove dead copper, pour order 4): 0,2095 0,2091 0,0 3628,0 3635,0 3635,2095

## Keep-outs
Keep-Out Layer:
  the board outline again, w2

## Other copper
Top Layer:
  rectangle net 1V25: 1065,1425 1115,1570
  rectangle net 1V25: 1135,1425 1225,1685

## Silkscreen, mask and mechanical layers (free items; w line width, h text height)
Top Overlay:
  drawing of 1286 lines, arcs and shapes, not listed
  text "AwV3S DevBrd" at 59,1182 h60
  text "V1.00 ES" at 59,1059 h60
  text "Project Hexogen" at 64,957 h50
Bottom Overlay:
  lines w10: 1544,850 1563,869 1563,885 ; 1832,856 1832,836 1872,796 1887,796
Mechanical 1:
  rectangle: 0,0 3635,2095

## Text inside footprints (layer, text, board x,y; h text height)
CONN1: Top Overlay "1" at 1678.72,386.08 h30
P1: Top Overlay "28" at 2735,1905 h50; Top Overlay "27" at 2735,1805 h50; Top Overlay "1" at 1275,1805 h50; Top Overlay "2" at 1275,1905 h50
U3: Bottom Overlay "TF CARD" at 3070.22,1724.64 h39.37 r180; Bottom Overlay "KINMOX" at 3102.22,1824.64 h39.37 r180